# Altium PCB Main_Board.PcbDoc (part 1 of 19)
Units mil, origin at the board's own origin, x right, y up, seen from the top; angles counter-clockwise.
Board outline 5306 x 6610 mil, 12 copper layers ((L1) Top, (L2) Inner 1, (L3) Inner 2, (L4) Inner 3, (L5) Inner 4, (L6) Inner 5, (L7) Inner 6, (L8) Inner 7, (L9) Inner 8, (L10) Inner 9, (L11) Inner 10, (L12) Bottom), stack 94.81 mil thick; 347 components, 571 nets, 2611 pads, 4053 vias.
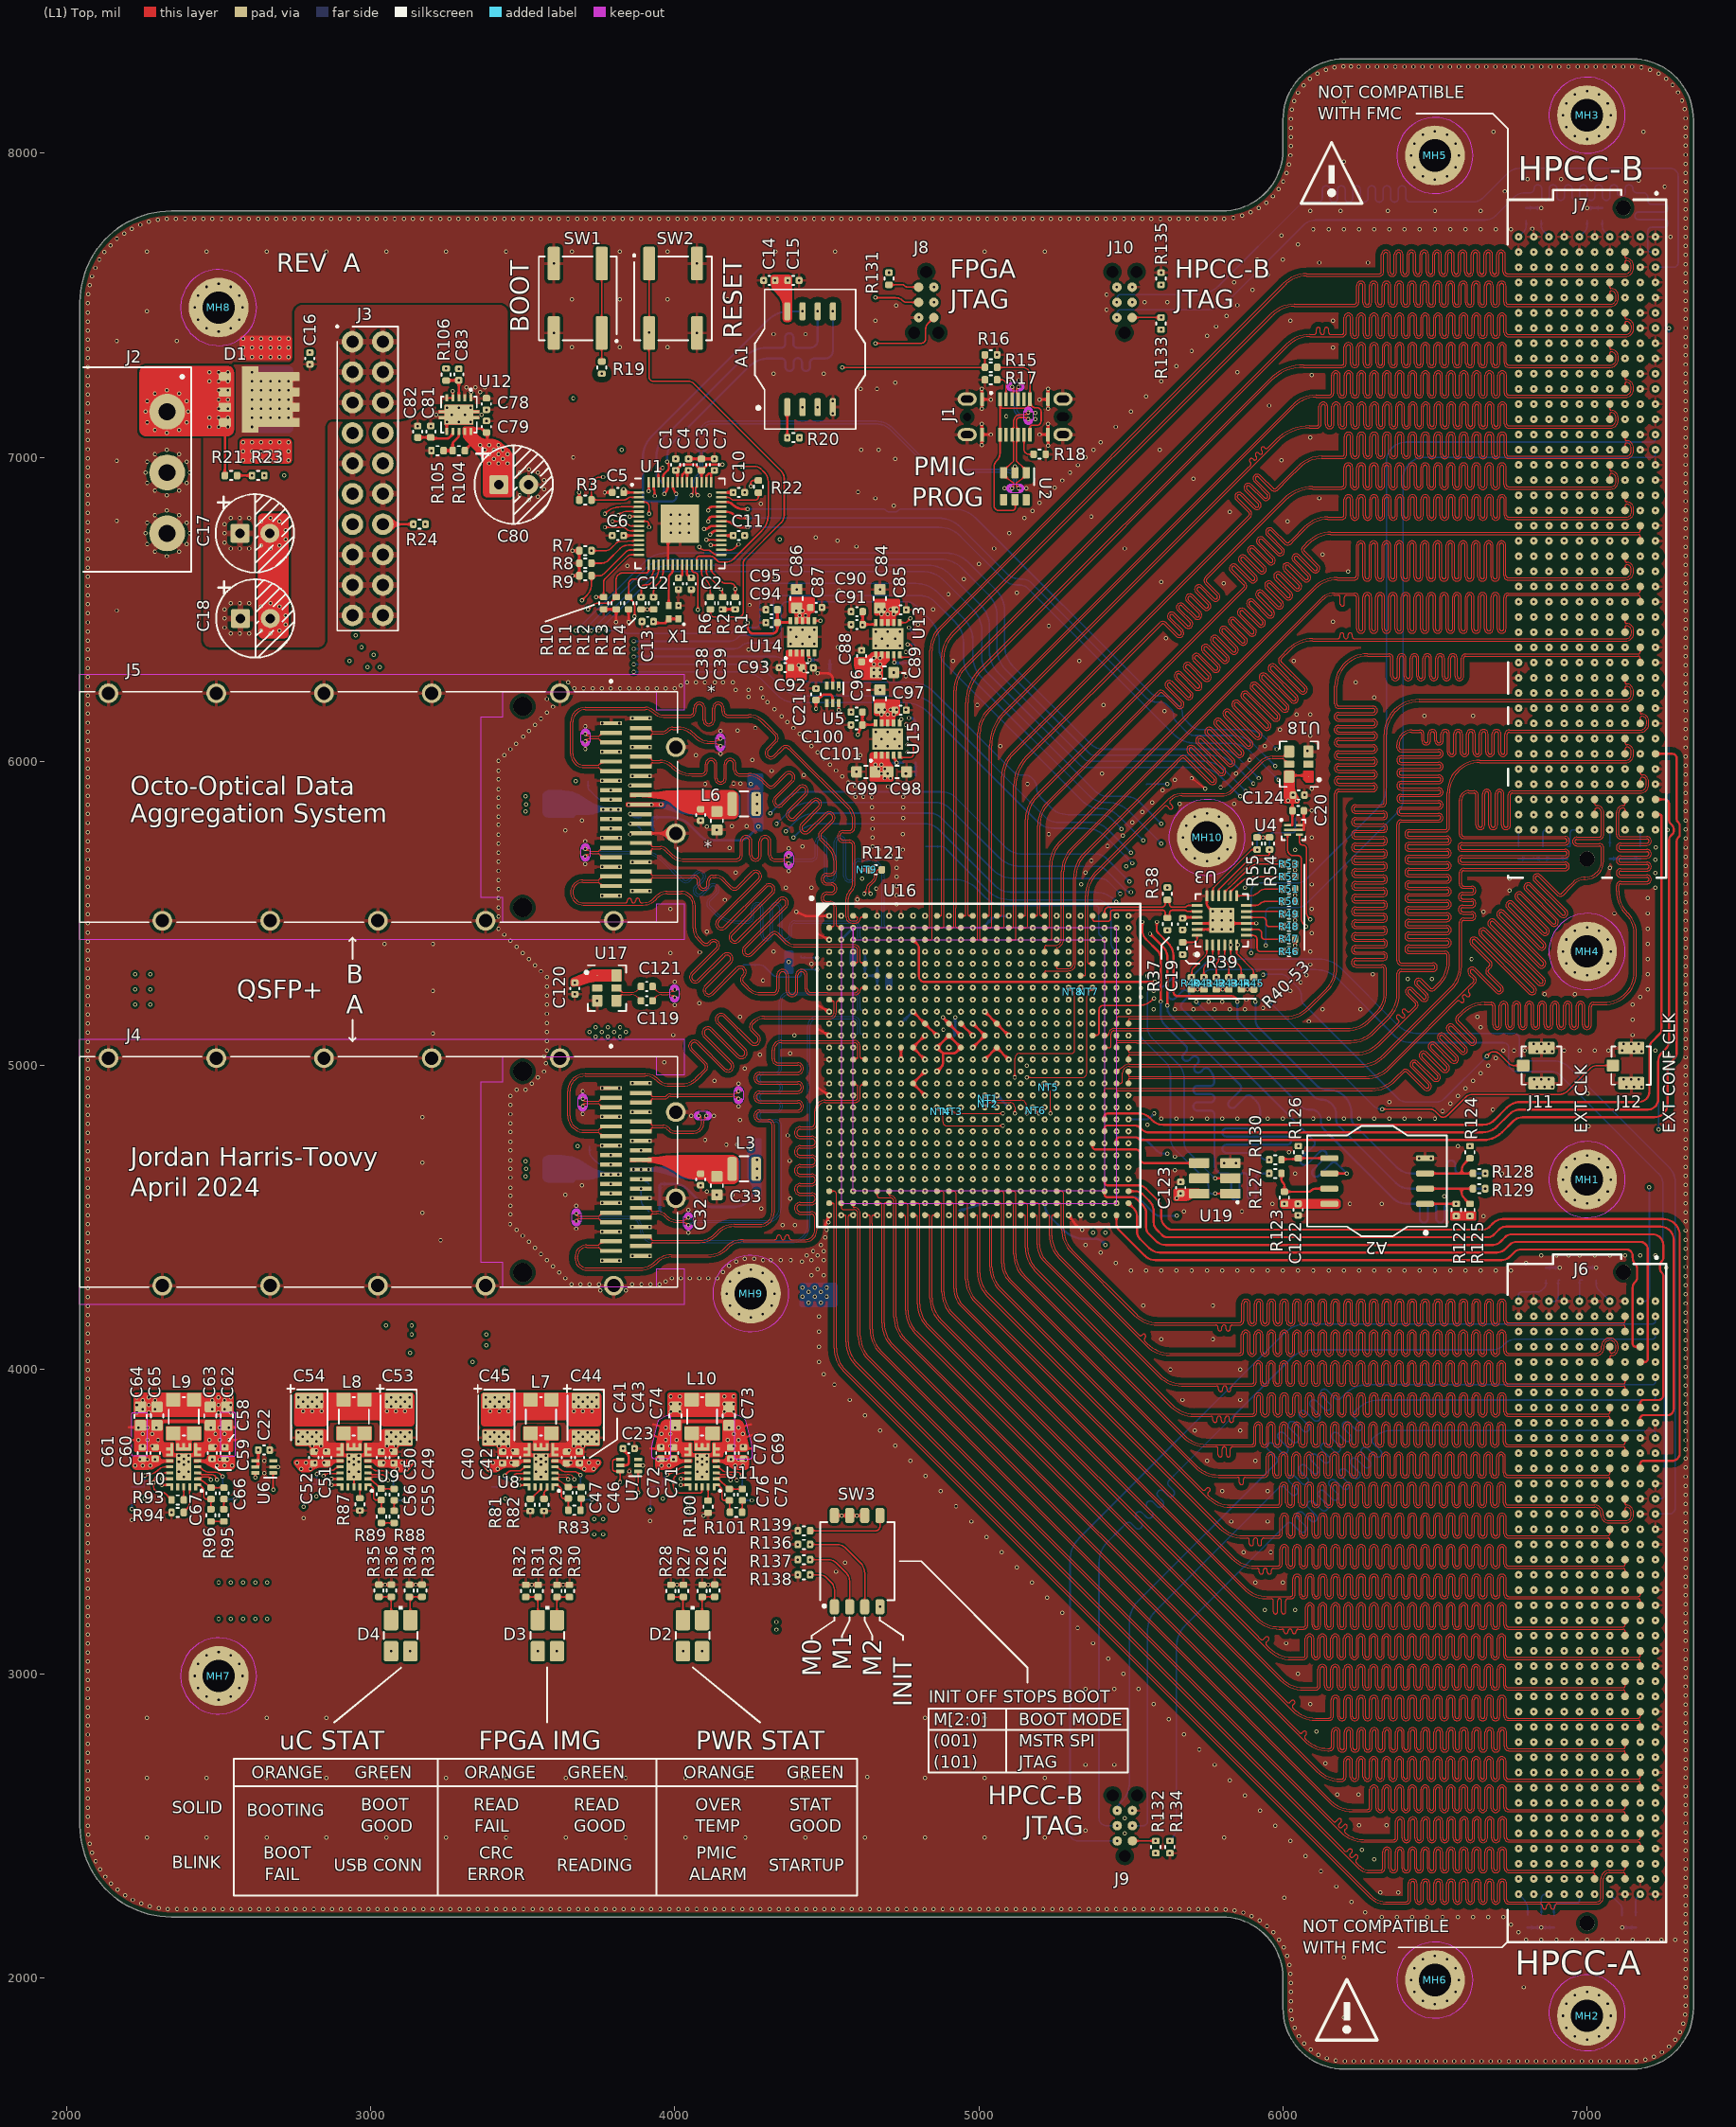
[diagram p0: (L1) Top view]
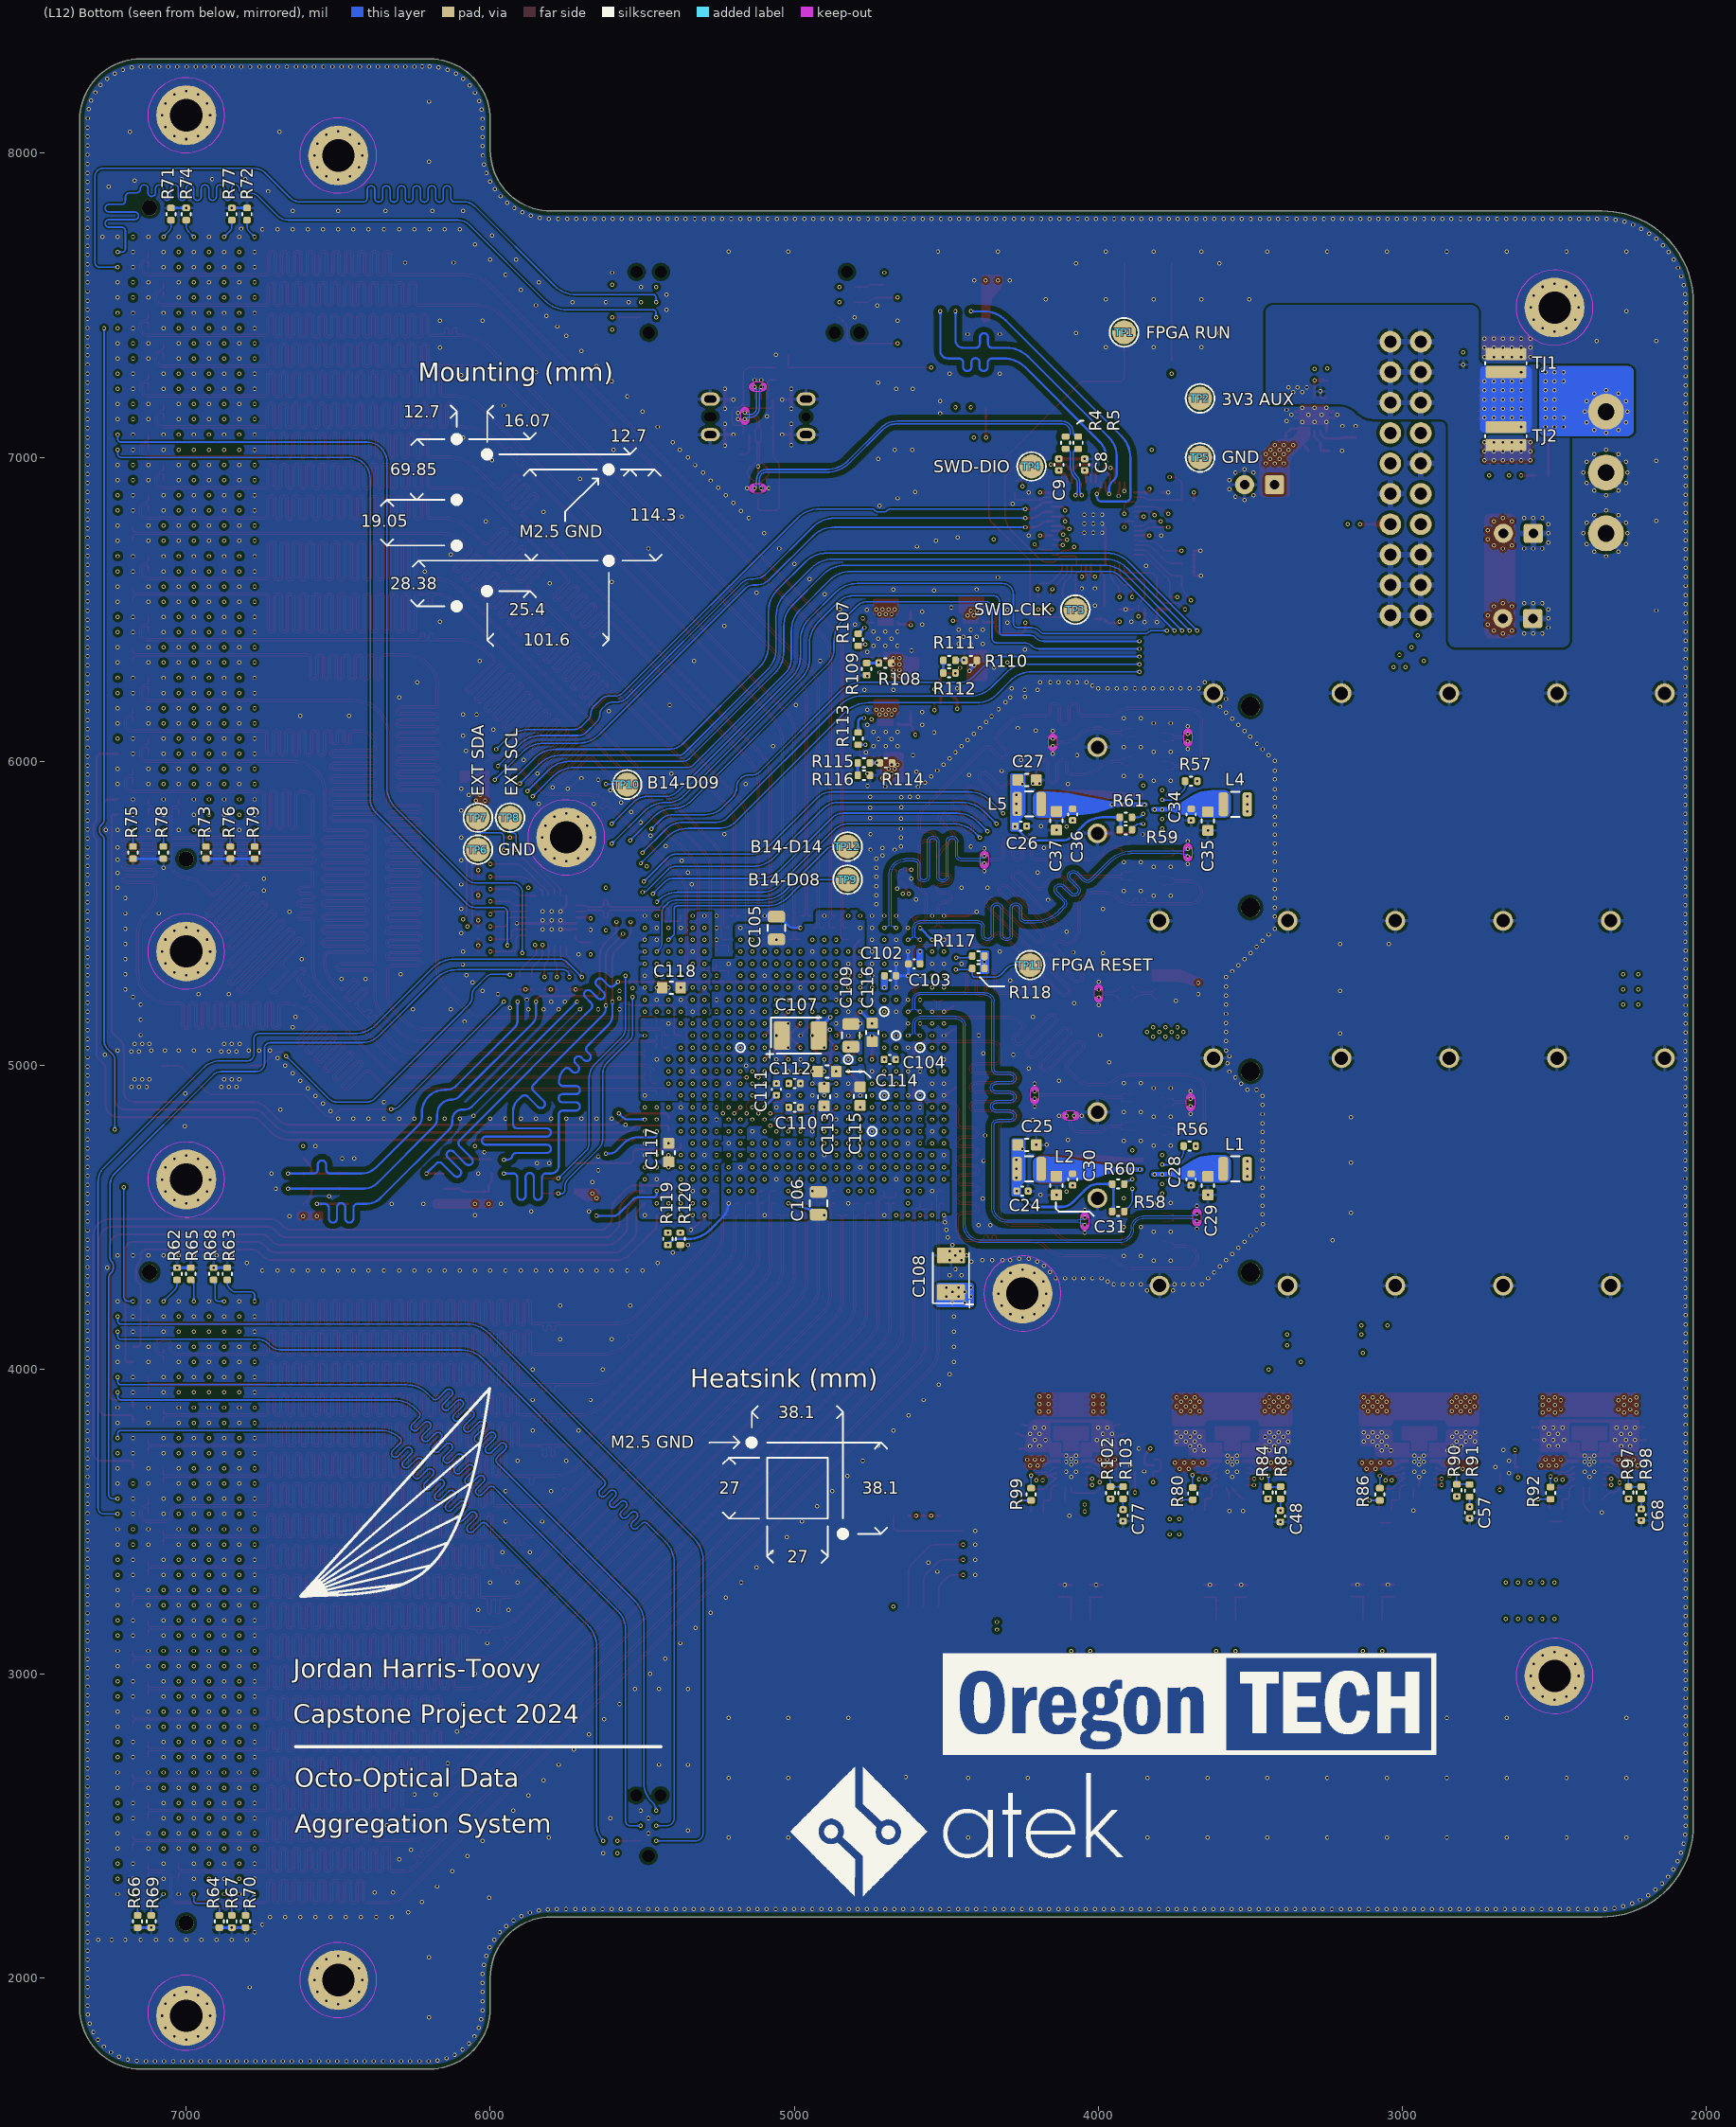
[diagram p1: (L12) Bottom view, seen from below]
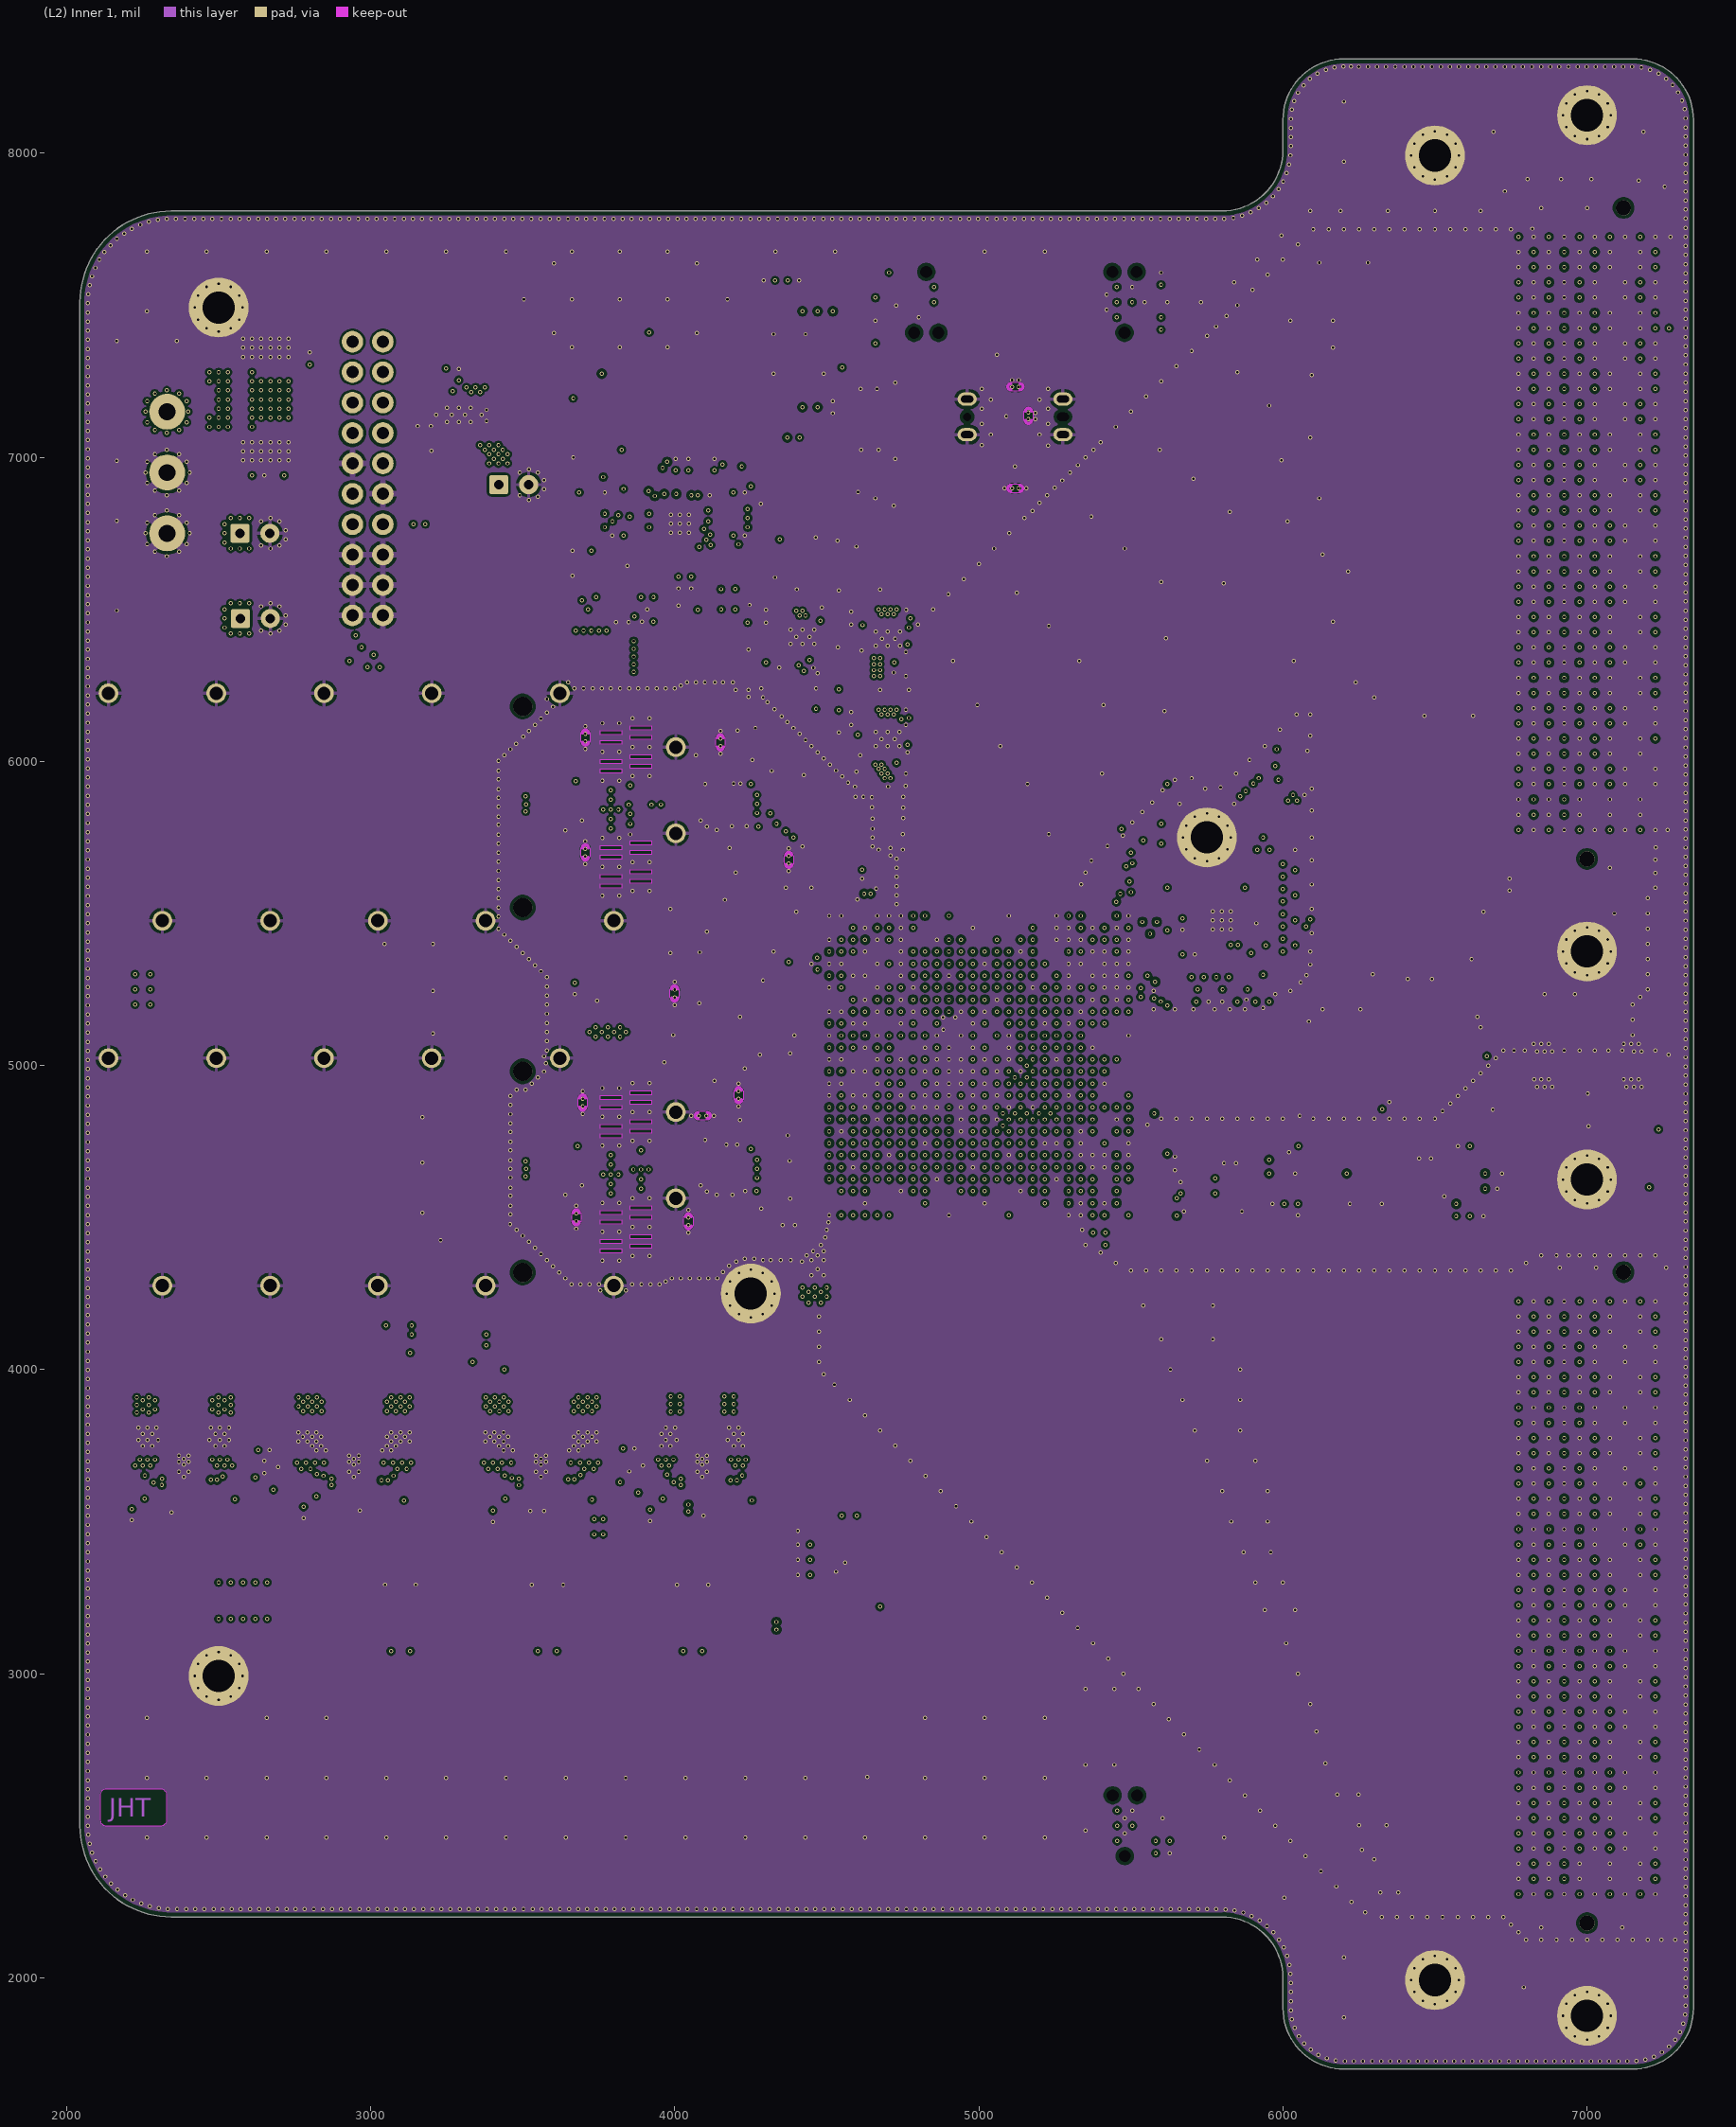
[diagram p2: (L2) Inner 1]
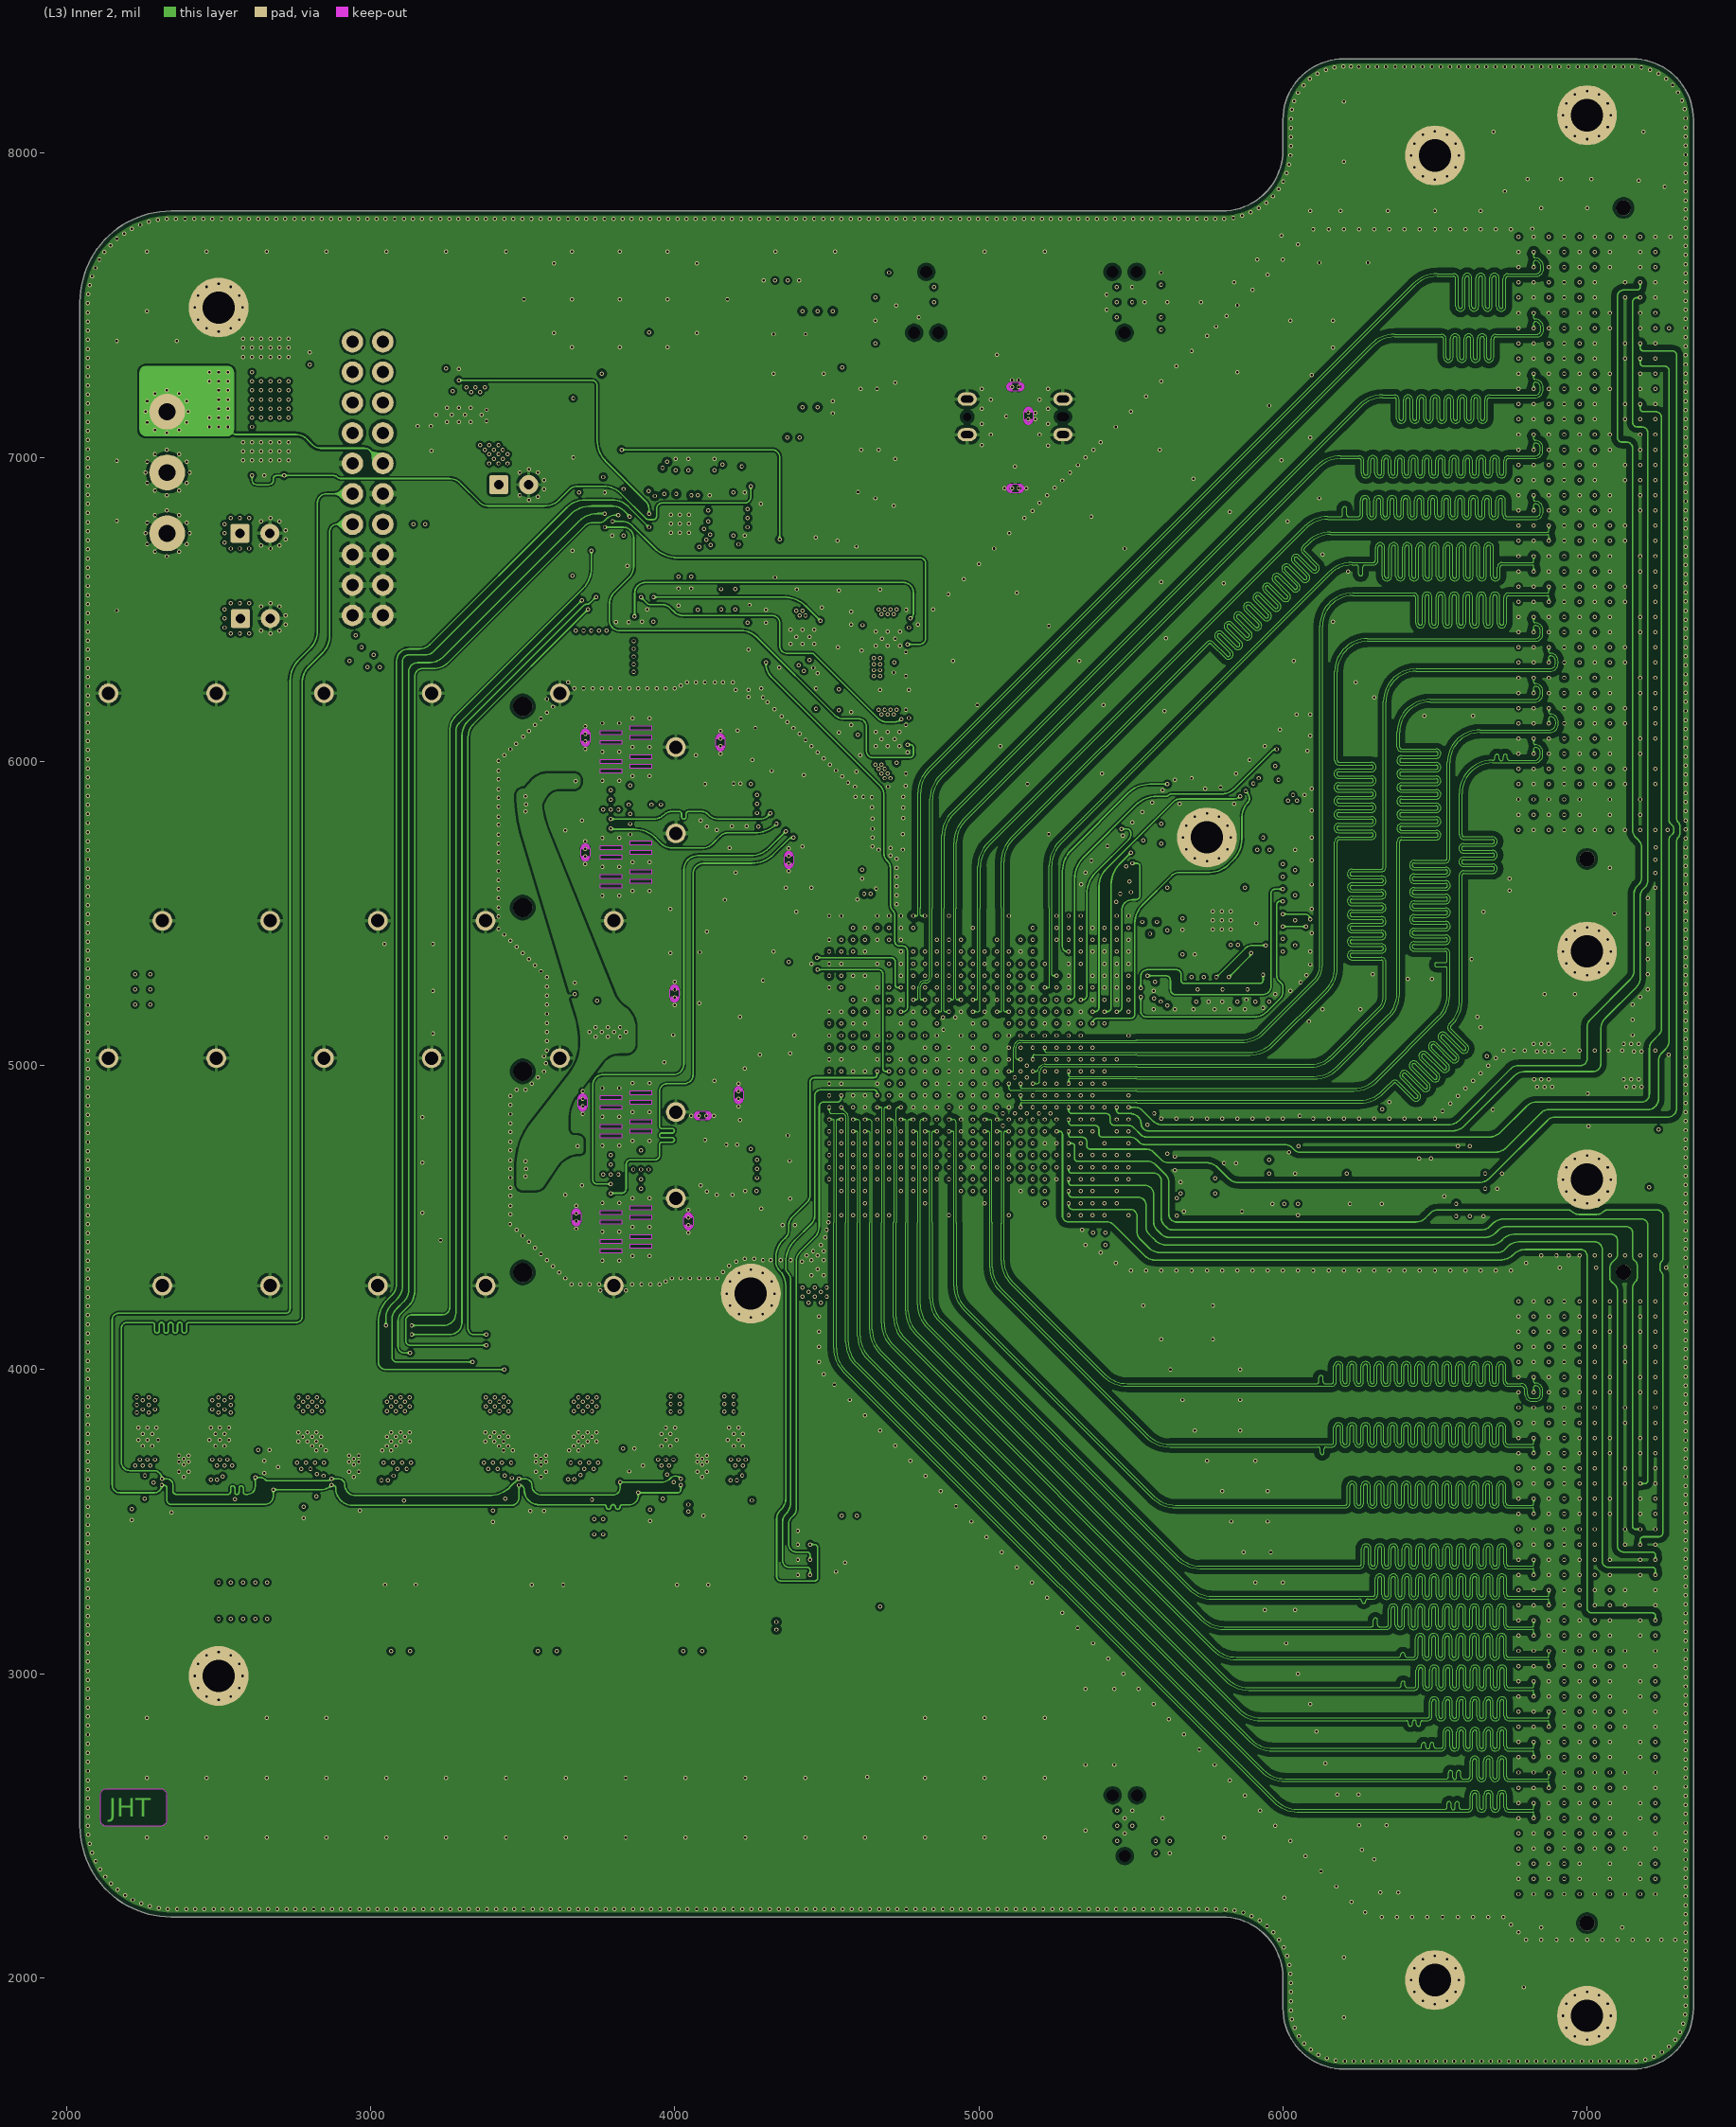
[diagram p3: (L3) Inner 2]